# Altium PCB WS2812_MATRIX.PcbDoc (part 2 of 4)
Units mil, origin at the board's own origin, x right, y up, seen from the top; angles counter-clockwise.
Board outline 6515.75 x 1791.34 mil, 2 copper layers (Top Layer, Bottom Layer); 516 components, 260 nets, 1546 pads, 523 vias.
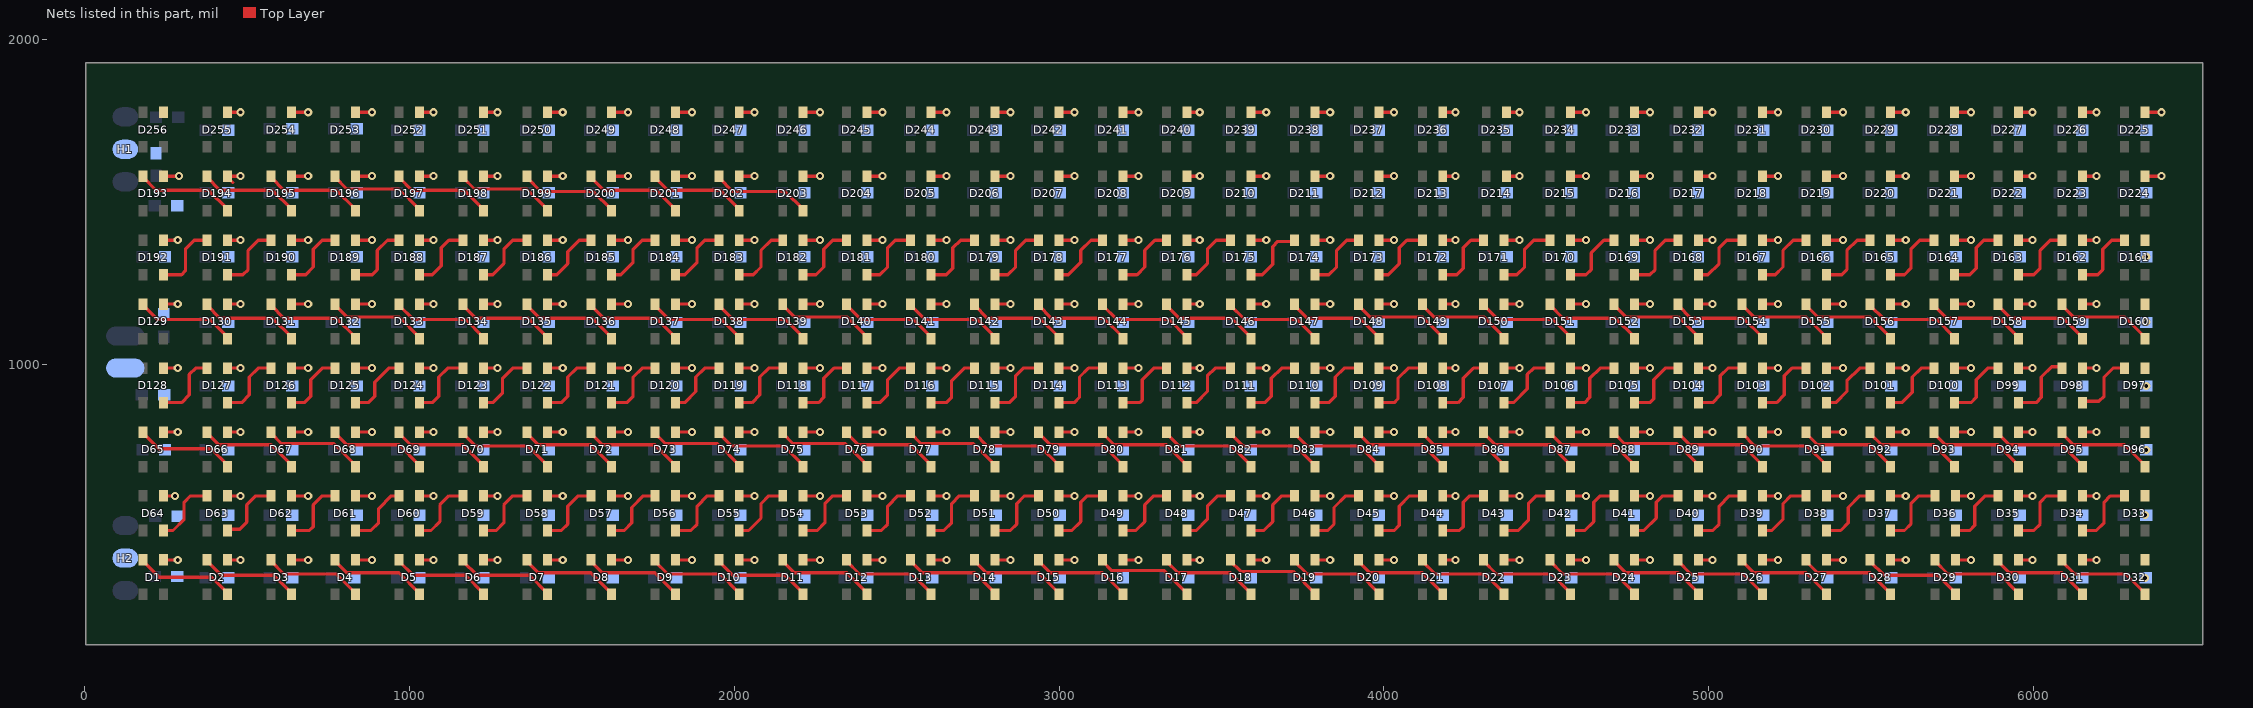
[diagram p2: the nets of this part, all layers, seen from the top]

## Via types
v1: diameter 25, hole 12, Top Layer to Bottom Layer, tented both sides, 523 vias

## Nets (pads, with @x,y where several pads share a name; then routed paths per layer and width w, separated by ;. In a path a pad name is that pad's centre, name@x,y a point inside that pad or via, vN(x,y) a via of type N, cw(c..) or ccw(c..) an arc to the next point about the centre after c; other vN are vias at no path point) (continued)
GND: C1.2 C2.2 C3.2 C4.2 C5.2 C6.2 C7.2 C8.2 C9.2 C10.2 C11.2 C12.2 C13.2 C14.2 C15.2 C16.2 C17.2 C18.2 C19.2 C20.2 C21.2 C22.2 C23.2 C24.2 C25.2 C26.2 C27.2 C28.2 C29.2 C30.2 C31.2 C32.2 C33.2 C34.2 C35.2 C36.2 C37.2 C38.2 C39.2 C40.2 C41.2 C42.2 C43.2 C44.2 C45.2 C46.2 C47.2 C48.2 C49.2 C50.2 C51.2 C52.2 C53.2 C54.2 C55.2 C56.2 C57.2 C58.2 C59.2 C60.2 C61.2 C62.2 C63.2 C64.2 C65.2 C66.2 C67.2 C68.2 C69.2 C70.2 C71.2 C72.2 C73.2 C74.2 C75.2 C76.2 C77.2 C78.2 C79.2 C80.2 C81.2 C82.2 C83.2 C84.2 C85.2 C86.2 C87.2 C88.2 C89.2 C90.2 C91.2 C92.2 C93.2 C94.2 C95.2 C96.2 C97.2 C98.2 C99.2 C100.2 C101.2 C102.2 C103.2 C104.2 C105.2 C106.2 C107.2 C108.2 C109.2 C110.2 C111.2 C112.2 C113.2 C114.2 C115.2 C116.2 C117.2 C118.2 C119.2 C120.2 C121.2 C122.2 C123.2 C124.2 C125.2 C126.2 C127.2 C128.2 C129.2 C130.2 C131.2 C132.2 C133.2 C134.2 C135.2 C136.2 C137.2 C138.2 C139.2 C140.2 C141.2 C142.2 C143.2 C144.2 C145.2 C146.2 C147.2 C148.2 C149.2 C150.2 C151.2 C152.2 C153.2 C154.2 C155.2 C156.2 C157.2 C158.2 C159.2 C160.2 C161.2 C162.2 C163.2 C164.2 C165.2 C166.2 C167.2 C168.2 C169.2 C170.2 C171.2 C172.2 C173.2 C174.2 C175.2 C176.2 C177.2 C178.2 C179.2 C180.2 C181.2 C182.2 C183.2 C184.2 C185.2 C186.2 C187.2 C188.2 C189.2 C190.2 C191.2 C192.2 C193.2 C194.2 C195.2 C196.2 C197.2 C198.2 C199.2 C200.2 C201.2 C202.2 C203.2 C204.2 C205.2 C206.2 C207.2 C208.2 C209.2 C210.2 C211.2 C212.2 C213.2 C214.2 C215.2 C216.2 C217.2 C218.2 C219.2 C220.2 C221.2 C222.2 C223.2 C224.2 C225.2 C226.2 C227.2 C228.2 C229.2 C230.2 C231.2 C232.2 C233.2 C234.2 C235.2 C236.2 C237.2 C238.2 C239.2 C240.2 C241.2 C242.2 C243.2 C244.2 C245.2 C246.2 C247.2 C248.2 C249.2 C250.2 C251.2 C252.2 C253.2 C254.2 C255.2 C256.2 D1.3 D2.3 D3.3 D4.3 D5.3 D6.3 D7.3 D8.3 D9.3 D10.3 D11.3 D12.3 D13.3 D14.3 D15.3 D16.3 D17.3 D18.3 D19.3 D20.3 D21.3 D22.3 D23.3 D24.3 D25.3 D26.3 D27.3 D28.3 D29.3 D30.3 D31.3 D32.3 D33.3 D34.3 D35.3 D36.3 D37.3 D38.3 D39.3 D40.3 D41.3 D42.3 D43.3 D44.3 D45.3 D46.3 D47.3 D48.3 D49.3 D50.3 D51.3 D52.3 D53.3 D54.3 D55.3 D56.3 D57.3 D58.3 D59.3 D60.3 D61.3 D62.3 D63.3 D64.3 D65.3 D66.3 D67.3 D68.3 D69.3 D70.3 D71.3 D72.3 D73.3 D74.3 D75.3 D76.3 D77.3 D78.3 D79.3 D80.3 D81.3 D82.3 D83.3 D84.3 D85.3 D86.3 D87.3 D88.3 D89.3 D90.3 D91.3 D92.3 D93.3 D94.3 D95.3 D96.3 D97.3 D98.3 D99.3 D100.3 D101.3 D102.3 D103.3 D104.3 D105.3 D106.3 D107.3 D108.3 D109.3 D110.3 D111.3 D112.3 D113.3 D114.3 D115.3 D116.3 D117.3 D118.3 D119.3 D120.3 D121.3 D122.3 D123.3 D124.3 D125.3 D126.3 D127.3 D128.3 D129.3 D130.3 D131.3 D132.3 D133.3 D134.3 D135.3 D136.3 D137.3 D138.3 D139.3 D140.3 D141.3 D142.3 D143.3 D144.3 D145.3 D146.3 D147.3 D148.3 D149.3 D150.3 D151.3 D152.3 D153.3 D154.3 D155.3 D156.3 D157.3 D158.3 D159.3 D160.3 D161.3 D162.3 D163.3 D164.3 D165.3 D166.3 D167.3 D168.3 D169.3 D170.3 D171.3 D172.3 D173.3 D174.3 D175.3 D176.3 D177.3 D178.3 D179.3 D180.3 D181.3 D182.3 D183.3 D184.3 D185.3 D186.3 D187.3 D188.3 D189.3 D190.3 D191.3 D192.3 D193.3 D194.3 D195.3 D196.3 D197.3 D198.3 D199.3 D200.3 D201.3 D202.3 D203.3 D204.3 D205.3 D206.3 D207.3 D208.3 D209.3 D210.3 D211.3 D212.3 D213.3 D214.3 D215.3 D216.3 D217.3 D218.3 D219.3 D220.3 D221.3 D222.3 D223.3 D224.3 D225.3 D226.3 D227.3 D228.3 D229.3 D230.3 D231.3 D232.3 D233.3 D234.3 D235.3 D236.3 D237.3 D238.3 D239.3 D240.3 D241.3 D242.3 D243.3 D244.3 D245.3 D246.3 D247.3 D248.3 D249.3 D250.3 D251.3 D252.3 D253.3 D254.3 D255.3 D256.3 H1.2 H2.2 H3.2 | length 11616.7
  Top Layer w10: D1.3@244.09,397.64 v1(287.4,397.64) ; D64.3@244.09,594.49 v1(279.53,594.49) ; D65.3@244.09,791.34 v1(287.4,791.34) ; D128.3@244.09,988.19 v1(287.4,988.19) ; D129.3@244.09,1185.04 v1(287.4,1185.04) ; D192.3@244.09,1381.89 v1(287.4,1381.89) ; D193.3@244.09,1578.74 v1(291.34,1578.74) ; D2.3@440.94,397.64 v1(480.32,397.64) ; D63.3@440.95,594.49 v1(480.32,594.49) ; D66.3@440.95,791.34 v1(480.32,791.34) ; D127.3@440.94,988.19 v1(480.32,988.19) ; D130.3@440.94,1185.04 v1(480.32,1185.04) ; D191.3@440.94,1381.89 v1(480.32,1381.89) ; D255.3@440.94,1775.59 v1(480.31,1775.59) ; 456.45,1559.29 440.94,1574.8 D194.3@440.94,1578.74 v1(480.32,1578.74) ; D3.3@637.8,397.64 v1(688.98,397.64) ; D62.3@637.8,594.49 v1(688.98,594.49) ; D67.3@637.8,791.34 v1(688.98,791.34) ; D126.3@637.8,988.19 v1(688.98,988.19) ; D131.3@637.8,1185.04 v1(688.98,1185.04) ; D190.3@637.8,1381.89 v1(688.98,1381.89) ; D195.3@637.8,1578.74 v1(688.98,1578.74) ; D254.3@637.8,1775.59 v1(688.98,1775.59) ; D4.3@834.65,397.64 v1(885.83,397.64) ; D61.3@834.65,594.49 v1(885.83,594.49) ; D68.3@834.65,791.34 v1(885.83,791.34) ; D125.3@834.65,988.19 v1(885.83,988.19) ; D132.3@834.65,1185.04 v1(885.83,1185.04) ; D189.3@834.65,1381.89 v1(885.83,1381.89) ; D196.3@834.65,1578.74 v1(885.83,1578.74) ; D253.3@834.65,1775.59 v1(885.83,1775.59) ; D5.3@1031.5,397.64 v1(1074.8,397.64) ; D60.3@1031.5,594.49 v1(1074.8,594.49) ; D69.3@1031.5,791.34 v1(1074.8,791.34) ; D124.3@1031.5,988.19 v1(1074.8,988.19) ; D133.3@1031.5,1185.04 v1(1074.8,1185.04) ; D188.3@1031.5,1381.89 v1(1074.8,1381.89) ; D197.3@1031.5,1578.74 v1(1074.8,1578.74) ; D252.3@1031.5,1775.59 v1(1074.8,1775.59) ; D6.3@1228.35,397.64 v1(1271.65,397.64) ; D59.3@1228.35,594.49 v1(1271.65,594.49) ; D70.3@1228.35,791.34 v1(1271.65,791.34) ; D123.3@1228.35,988.19 v1(1271.65,988.19) ; D134.3@1228.35,1185.04 v1(1271.65,1185.04) ; D187.3@1228.35,1381.89 v1(1271.65,1381.89) ; D198.3@1228.35,1578.74 v1(1271.65,1578.74) ; D251.3@1228.35,1775.59 v1(1271.65,1775.59) ; D7.3@1425.2,397.64 v1(1472.44,397.64) ; D58.3@1425.2,594.49 v1(1472.44,594.49) ; D71.3@1425.2,791.34 v1(1472.44,791.34) ; D122.3@1425.2,988.19 v1(1472.44,988.19) ; D135.3@1425.2,1185.04 v1(1472.44,1185.04) ; D186.3@1425.2,1381.89 v1(1472.44,1381.89) ; D199.3@1425.2,1578.74 v1(1472.44,1578.74) ; D250.3@1425.2,1775.59 v1(1472.44,1775.59) ; D8.3@1622.05,397.64 v1(1673.23,397.64) ; D57.3@1622.05,594.49 v1(1673.23,594.49) ; D72.3@1622.05,791.34 v1(1673.23,791.34) ; D121.3@1622.05,988.19 v1(1673.23,988.19) ; D136.3@1622.05,1185.04 v1(1673.23,1185.04) ; D185.3@1622.05,1381.89 v1(1673.23,1381.89) ; D200.3@1622.05,1578.74 v1(1673.23,1578.74) ; D249.3@1622.05,1775.59 v1(1673.23,1775.59) ; D9.3@1818.9,397.64 v1(1870.08,397.64) ; D56.3@1818.9,594.49 v1(1870.08,594.49) ; D73.3@1818.9,791.34 v1(1870.08,791.34) ; D120.3@1818.9,988.19 v1(1870.08,988.19) ; D137.3@1818.9,1185.04 v1(1870.08,1185.04) ; D184.3@1818.9,1381.89 v1(1870.08,1381.89) ; D201.3@1818.9,1578.74 v1(1870.08,1578.74) ; D248.3@1818.9,1775.59 v1(1870.08,1775.59) ; D10.3@2015.75,397.64 v1(2062.99,397.64) ; D55.3@2015.75,594.49 v1(2062.99,594.49) ; D74.3@2015.75,791.34 v1(2062.99,791.34) ; D119.3@2015.75,988.19 v1(2062.99,988.19) ; D138.3@2015.75,1185.04 v1(2062.99,1185.04) ; D183.3@2015.75,1381.89 v1(2062.99,1381.89) ; D202.3@2015.75,1578.74 v1(2062.99,1578.74) ; D247.3@2015.75,1775.59 v1(2062.99,1775.59) ; D11.3@2212.6,397.64 v1(2263.78,397.64) ; D54.3@2212.6,594.49 v1(2263.78,594.49) ; D75.3@2212.6,791.34 v1(2263.78,791.34) ; D118.3@2212.6,988.19 v1(2263.78,988.19) ; D139.3@2212.6,1185.04 v1(2263.78,1185.04) ; D182.3@2212.6,1381.89 v1(2263.78,1381.89) ; D203.3@2212.6,1578.74 v1(2263.78,1578.74) ; D246.3@2212.6,1775.59 v1(2263.78,1775.59) ; D12.3@2409.45,397.64 v1(2456.69,397.64) ; D53.3@2409.45,594.49 v1(2456.69,594.49) ; D76.3@2409.45,791.34 v1(2456.69,791.34) ; D117.3@2409.45,988.19 v1(2456.69,988.19) ; D140.3@2409.45,1185.04 v1(2456.69,1185.04) ; D181.3@2409.45,1381.89 v1(2456.69,1381.89) ; D204.3@2409.45,1578.74 v1(2456.69,1578.74) ; D245.3@2409.45,1775.59 v1(2456.69,1775.59) ; D13.3@2606.3,397.64 v1(2653.54,397.64) ; D52.3@2606.3,594.49 v1(2653.54,594.49) ; D77.3@2606.3,791.34 v1(2653.54,791.34) ; D116.3@2606.3,988.19 v1(2653.54,988.19) ; D141.3@2606.3,1185.04 v1(2653.54,1185.04) ; D180.3@2606.3,1381.89 v1(2653.54,1381.89) ; D205.3@2606.3,1578.74 v1(2653.54,1578.74) ; D244.3@2606.3,1775.59 v1(2653.54,1775.59) ; D14.3@2803.15,397.64 v1(2850.39,397.64) ; D51.3@2803.15,594.49 v1(2850.39,594.49) ; D78.3@2803.15,791.34 v1(2850.39,791.34) ; D115.3@2803.15,988.19 v1(2850.39,988.19) ; D142.3@2803.15,1185.04 v1(2850.39,1185.04) ; D179.3@2803.15,1381.89 v1(2850.39,1381.89) ; D206.3@2803.15,1578.74 v1(2850.39,1578.74) ; D243.3@2803.15,1775.59 v1(2850.39,1775.59) ; D15.3@3000,397.64 v1(3047.24,397.64) ; D50.3@3000,594.49 v1(3047.24,594.49) ; D79.3@3000,791.34 v1(3047.24,791.34) ; D114.3@3000,988.19 v1(3047.24,988.19) ; D143.3@3000,1185.04 v1(3047.24,1185.04) ; D178.3@3000,1381.89 v1(3047.24,1381.89) ; D207.3@3000,1578.74 v1(3047.24,1578.74) ; D242.3@3000,1775.59 v1(3047.24,1775.59) ; D16.3@3196.85,397.64 v1(3244.09,397.64) ; D49.3@3196.85,594.49 v1(3244.09,594.49) ; D80.3@3196.85,791.34 v1(3244.09,791.34) ; D113.3@3196.85,988.19 v1(3244.09,988.19) ; D144.3@3196.85,1185.04 v1(3244.09,1185.04) ; D177.3@3196.85,1381.89 v1(3244.09,1381.89) ; D208.3@3196.85,1578.74 v1(3244.09,1578.74) ; D241.3@3196.85,1775.59 v1(3244.09,1775.59) ; D17.3@3393.7,397.64 v1(3433.07,397.64) ; D48.3@3393.7,594.49 v1(3433.07,594.49) ; D81.3@3393.7,791.34 v1(3433.07,791.34) ; D112.3@3393.7,988.19 v1(3433.07,988.19) ; D145.3@3393.7,1185.04 v1(3433.07,1185.04) ; D176.3@3393.7,1381.89 v1(3433.07,1381.89) ; D209.3@3393.7,1578.74 v1(3433.07,1578.74) ; D240.3@3393.7,1775.59 v1(3433.07,1775.59) ; D18.3@3590.55,397.64 v1(3637.8,397.64) ; D47.3@3590.55,594.49 v1(3637.8,594.49) ; D82.3@3590.55,791.34 v1(3637.8,791.34) ; D111.3@3590.55,988.19 v1(3637.8,988.19) ; D146.3@3590.55,1185.04 v1(3637.8,1185.04) ; D175.3@3590.55,1381.89 v1(3637.8,1381.89) ; D210.3@3590.55,1578.74 v1(3637.8,1578.74) ; D239.3@3590.55,1775.59 v1(3637.8,1775.59) ; D19.3@3787.4,397.64 v1(3834.65,397.64) ; D46.3@3787.4,594.49 v1(3834.65,594.49) ; D83.3@3787.4,791.34 v1(3834.65,791.34) ; D110.3@3787.4,988.19 v1(3834.65,988.19) ; D147.3@3787.4,1185.04 v1(3834.65,1185.04) ; D174.3@3787.4,1381.89 v1(3834.65,1381.89) ; D211.3@3787.4,1578.74 v1(3834.65,1578.74) ; D238.3@3787.4,1775.59 v1(3834.65,1775.59) ; D20.3@3984.25,397.64 v1(4031.5,397.64) ; D45.3@3984.25,594.49 v1(4031.5,594.49) ; D84.3@3984.25,791.34 v1(4031.5,791.34) ; D109.3@3984.25,988.19 v1(4031.5,988.19) ; D148.3@3984.25,1185.04 v1(4031.5,1185.04) ; D173.3@3984.25,1381.89 v1(4031.5,1381.89) ; D212.3@3984.25,1578.74 v1(4031.5,1578.74) ; D237.3@3984.25,1775.59 v1(4031.5,1775.59) ; D21.3@4181.1,397.64 v1(4220.47,397.64) ; D44.3@4181.1,594.49 v1(4220.47,594.49) ; D85.3@4181.1,791.34 v1(4220.47,791.34) ; D108.3@4181.1,988.19 v1(4220.47,988.19) ; D149.3@4181.1,1185.04 v1(4220.47,1185.04) ; D172.3@4181.1,1381.89 v1(4220.47,1381.89) ; D213.3@4181.1,1578.74 v1(4220.47,1578.74) ; D236.3@4181.1,1775.59 v1(4220.47,1775.59) ; D22.3@4370.08,397.64 v1(4417.32,397.64) ; D43.3@4370.08,594.49 v1(4417.32,594.49) ; D86.3@4370.08,791.34 v1(4417.32,791.34) ; D107.3@4370.08,988.19 v1(4417.32,988.19) ; D150.3@4370.08,1185.04 v1(4417.32,1185.04) ; D171.3@4370.08,1381.89 v1(4417.32,1381.89) ; D214.3@4377.95,1578.74 v1(4417.32,1578.74) ; D235.3@4377.95,1775.59 v1(4417.32,1775.59) ; D23.3@4574.8,397.64 v1(4622.05,397.64) ; D42.3@4574.8,594.49 v1(4622.05,594.49) ; D87.3@4574.8,791.34 v1(4622.05,791.34) ; D106.3@4574.8,988.19 v1(4622.05,988.19) ; D151.3@4574.8,1185.04 v1(4622.05,1185.04) ; D170.3@4574.8,1381.89 v1(4622.05,1381.89) ; D215.3@4574.8,1578.74 v1(4622.05,1578.74) ; D234.3@4574.8,1775.59 v1(4622.05,1775.59) ; D24.3@4771.65,397.64 v1(4818.9,397.64) ; D41.3@4771.65,594.49 v1(4818.9,594.49) ; D88.3@4771.65,791.34 v1(4818.9,791.34) ; D105.3@4771.65,988.19 v1(4818.9,988.19) ; D152.3@4771.65,1185.04 v1(4818.9,1185.04) ; D169.3@4771.65,1381.89 v1(4818.9,1381.89) ; D216.3@4771.65,1578.74 v1(4818.9,1578.74) ; D233.3@4771.65,1775.59 v1(4818.9,1775.59) ; D25.3@4968.5,397.64 v1(5011.81,397.64) ; D40.3@4968.5,594.49 v1(5011.81,594.49) ; D89.3@4968.5,791.34 v1(5011.81,791.34) ; D104.3@4968.5,988.19 v1(5011.81,988.19) ; D153.3@4968.5,1185.04 v1(5011.81,1185.04) ; D168.3@4968.5,1381.89 v1(5011.81,1381.89) ; D217.3@4968.5,1578.74 v1(5011.81,1578.74) ; D232.3@4968.5,1775.59 v1(5011.81,1775.59) ; D26.3@5165.35,397.64 v1(5212.6,397.64) ; D39.3@5165.35,594.49 v1(5212.6,594.49) ; D90.3@5165.35,791.34 v1(5212.6,791.34) ; D103.3@5165.35,988.19 v1(5212.6,988.19) ; D154.3@5165.35,1185.04 v1(5212.6,1185.04) ; D167.3@5165.35,1381.89 v1(5212.6,1381.89) ; D218.3@5165.35,1578.74 v1(5212.6,1578.74) ; D231.3@5165.35,1775.59 v1(5212.6,1775.59) ; D27.3@5362.2,397.64 v1(5413.39,397.64) ; D38.3@5362.21,594.49 v1(5413.39,594.49) ; D91.3@5362.2,791.34 v1(5413.39,791.34) ; D102.3@5362.2,988.19 v1(5413.39,988.19) ; D155.3@5362.2,1185.04 v1(5413.39,1185.04) ; D166.3@5362.2,1381.89 v1(5413.39,1381.89) ; D219.3@5362.2,1578.74 v1(5413.39,1578.74) ; D230.3@5362.2,1775.59 v1(5413.39,1775.59) ; D28.3@5559.06,397.64 v1(5606.3,397.64) ; D37.3@5559.06,594.49 v1(5606.3,594.49) ; D92.3@5559.06,791.34 v1(5606.3,791.34) ; D101.3@5559.06,988.19 v1(5606.3,988.19) ; D156.3@5559.06,1185.04 v1(5606.3,1185.04) ; D165.3@5559.06,1381.89 v1(5606.3,1381.89) ; D220.3@5559.06,1578.74 v1(5606.3,1578.74) ; D229.3@5559.06,1775.59 v1(5606.3,1775.59) ; D93.3@5755.91,791.34 v1(5807.09,791.34) ; D100.3@5755.91,988.19 v1(5807.09,988.19) ; D157.3@5755.91,1185.04 v1(5807.09,1185.04) ; D164.3@5755.91,1381.89 v1(5807.09,1381.89) ; D221.3@5755.91,1578.74 v1(5807.09,1578.74) ; D228.3@5755.91,1775.59 v1(5807.09,1775.59) ; D29.3@5759.84,397.64 v1(5807.09,397.64) ; D36.3@5759.84,594.49 v1(5807.09,594.49) ; D30.3@5952.75,397.64 v1(5996.06,397.64) ; D35.3@5952.75,594.49 v1(5996.06,594.49) ; D94.3@5952.75,791.34 v1(5996.06,791.34) ; D99.3@5952.75,988.19 v1(5996.06,988.19) ; D158.3@5952.75,1185.04 v1(5996.06,1185.04) ; D163.3@5952.75,1381.89 v1(5996.06,1381.89) ; D222.3@5952.75,1578.74 v1(5996.06,1578.74) ; D227.3@5952.75,1775.59 v1(5996.06,1775.59) ; D31.3@6149.6,397.64 v1(6192.91,397.64) ; D34.3@6149.6,594.49 v1(6192.91,594.49) ; D95.3@6149.6,791.34 v1(6192.91,791.34) ; D98.3@6149.6,988.19 v1(6192.91,988.19) ; D159.3@6149.6,1185.04 v1(6192.91,1185.04) ; D162.3@6149.6,1381.89 v1(6192.91,1381.89) ; D223.3@6149.6,1578.74 v1(6192.91,1578.74) ; D226.3@6149.6,1775.59 v1(6192.91,1775.59) ; D224.3@6342.52,1578.74 v1(6393.7,1578.74) ; D225.3@6342.52,1775.59 v1(6393.7,1775.59)
  other v1: 6342.52,342.52 6342.52,535.43 6346.46,736.22 6346.46,933.07 6346.46,1129.92 6346.46,1330.71
NetD1_4: D1.4 D2.2 | length 308.5
  Top Layer w10: D1.4@181.1,397.64 181.1,393.7 230.31,344.49 391.73,344.49 440.94,295.28 D2.2@440.94,291.34
NetD2_4: D2.4 D3.2 | length 308.5
  Top Layer w10: D2.4@377.95,397.64 377.95,393.7 421.26,350.39 582.68,350.39 637.8,295.28 D3.2@637.8,291.34
NetD3_4: D3.4 D4.2 | length 308.5
  Top Layer w10: D3.4@574.8,397.64 574.8,393.7 614.17,354.33 775.59,354.33 834.65,295.28 D4.2@834.65,291.34
NetD4_4: D4.4 D5.2 | length 308.5
  Top Layer w10: D4.4@771.65,397.64 771.65,393.7 807.09,358.27 968.5,358.27 1031.5,295.28 D5.2@1031.5,291.34
NetD5_4: D5.4 D6.2 | length 308.5
  Top Layer w10: D5.4@968.5,397.64 968.5,393.7 1011.81,350.39 1173.23,350.39 1228.35,295.28 D6.2@1228.35,291.34
NetD6_4: D6.4 D7.2 | length 308.5
  Top Layer w10: D6.4@1165.35,397.64 1165.35,393.7 1208.66,350.39 1370.08,350.39 1425.2,295.28 D7.2@1425.2,291.34
NetD7_4: D7.4 D8.2 | length 308.5
  Top Layer w10: D7.4@1362.2,397.64 1362.2,393.7 1397.64,358.27 1559.06,358.27 1622.05,295.28 D8.2@1622.05,291.34
NetD8_4: D8.4 D9.2 | length 308.5
  Top Layer w10: D8.4@1559.05,397.64 1559.05,393.7 1594.49,358.27 1755.9,358.27 1818.9,295.28 D9.2@1818.9,291.34
NetD9_4: D9.4 D10.2 | length 308.5
  Top Layer w10: D9.4@1755.9,397.64 1755.9,393.7 1795.27,354.33 1956.69,354.33 2015.75,295.28 D10.2@2015.75,291.34
NetD10_4: D10.4 D11.2 | length 308.5
  Top Layer w10: D10.4@1952.76,397.64 1952.76,393.7 1996.06,350.39 2157.48,350.39 2212.6,295.28 D11.2@2212.6,291.34
NetD11_4: D11.4 D12.2 | length 308.5
  Top Layer w10: D11.4@2149.61,397.64 2149.61,393.7 2185.04,358.27 2346.46,358.27 2409.45,295.28 D12.2@2409.45,291.34
NetD12_4: D12.4 D13.2 | length 308.5
  Top Layer w10: D12.4@2346.46,397.64 2346.46,393.7 2385.83,354.33 2547.24,354.33 2606.3,295.28 D13.2@2606.3,291.34
NetD13_4: D13.4 D14.2 | length 308.5
  Top Layer w10: D13.4@2543.31,397.64 2543.31,393.7 2578.74,358.27 2740.16,358.27 2803.15,295.28 D14.2@2803.15,291.34
NetD14_4: D14.4 D15.2 | length 308.5
  Top Layer w10: D14.4@2740.16,397.64 2740.16,393.7 2775.59,358.27 2937.01,358.27 3000,295.28 D15.2@3000,291.34
NetD15_4: D15.4 D16.2 | length 308.5
  Top Layer w10: D15.4@2937.01,397.64 2937.01,393.7 2972.44,358.27 3133.86,358.27 3196.85,295.28 D16.2@3196.85,291.34
NetD16_4: D16.4 D17.2 | length 308.5
  Top Layer w10: D16.4@3133.86,397.64 3133.86,393.7 3162.64,364.92 3324.06,364.92 3393.7,295.28 D17.2@3393.7,291.34
NetD17_4: D17.4 D18.2 | length 308.5
  Top Layer w10: D17.4@3330.71,397.64 3330.71,393.7 3366.14,358.27 3527.56,358.27 3590.55,295.28 D18.2@3590.55,291.34
NetD18_4: D18.4 D19.2 | length 308.5
  Top Layer w10: D18.4@3527.56,397.64 3527.56,393.7 3559.06,362.2 3720.47,362.2 3787.4,295.28 D19.2@3787.4,291.34
NetD19_4: D19.4 D20.2 | length 308.5
  Top Layer w10: D19.4@3724.41,397.64 3724.41,393.7 3763.78,354.33 3925.2,354.33 3984.25,295.28 D20.2@3984.25,291.34
NetD20_4: D20.4 D21.2 | length 308.5
  Top Layer w10: D20.4@3921.26,397.64 3921.26,393.7 3956.69,358.27 4118.11,358.27 4181.1,295.28 D21.2@4181.1,291.34
NetD21_4: D21.4 D22.2 | length 300.6
  Top Layer w10: D21.4@4118.11,397.64 4118.11,393.7 4157.48,354.33 4311.02,354.33 4370.08,295.28 D22.2@4370.08,291.34
NetD22_4: D22.4 D23.2 | length 316.4
  Top Layer w10: D22.4@4307.09,397.64 4307.09,393.7 4346.46,354.33 4515.75,354.33 4574.8,295.28 D23.2@4574.8,291.34
NetD23_4: D23.4 D24.2 | length 308.5
  Top Layer w10: D23.4@4511.81,397.64 4511.81,393.7 4551.18,354.33 4712.6,354.33 4771.65,295.28 D24.2@4771.65,291.34
NetD24_4: D24.4 D25.2 | length 308.5
  Top Layer w10: D24.4@4708.66,397.64 4708.66,393.7 4744.09,358.27 4905.51,358.27 4968.5,295.28 D25.2@4968.5,291.34
NetD25_4: D25.4 D26.2 | length 308.5
  Top Layer w10: D25.4@4905.51,397.64 4905.51,393.7 4944.88,354.33 5106.3,354.33 5165.35,295.28 D26.2@5165.35,291.34
NetD26_4: D26.4 D27.2 | length 308.5
  Top Layer w10: D26.4@5102.36,397.64 5102.36,393.7 5137.8,358.27 5299.21,358.27 5362.2,295.28 D27.2@5362.2,291.34
NetD27_4: D27.4 D28.2 | length 308.5
  Top Layer w10: D27.4@5299.21,397.64 5299.21,393.7 5334.65,358.27 5496.06,358.27 5559.06,295.28 D28.2@5559.06,291.34
NetD28_4: D28.4 D29.2 | length 312.4
  Top Layer w10: D28.4@5496.06,397.64 5496.06,393.7 5539.37,350.39 5704.72,350.39 5759.84,295.28 D29.2@5759.84,291.34
NetD29_4: D29.4 D30.2 | length 304.5
  Top Layer w10: D29.4@5696.85,397.64 5696.85,393.7 5736.22,354.33 5893.7,354.33 5952.75,295.28 D30.2@5952.75,291.34
NetD30_4: D30.4 D31.2 | length 308.5
  Top Layer w10: D30.4@5889.76,397.64 5889.76,393.7 5925.19,358.27 6086.61,358.27 6149.6,295.28 D31.2@6149.6,291.34
NetD31_4: D31.4 D32.2 | length 304.6
  Top Layer w10: D31.4@6086.61,397.64 6086.61,393.7 6125.98,354.33 6283.46,354.33 6342.52,295.28 D32.2@6342.52,291.34
NetD33_4: D33.4 D34.2 | length 210.9
  Top Layer w10: D34.2@6149.6,488.19 6192.91,488.19 6216.54,511.81 6216.54,574.8 6236.22,594.49 D33.4@6279.53,594.49
NetD34_4: D34.4 D35.2 | length 217.1
  Top Layer w10: D35.2@5952.75,488.19 6000,488.19 6019.69,507.87 6019.69,574.8 6039.37,594.49 D34.4@6086.61,594.49
NetD35_4: D35.4 D36.2 | length 208.5
  Top Layer w10: D36.2@5759.84,488.19 5803.15,488.19 5818.9,503.94 5818.9,562.99 5850.39,594.49 D35.4@5889.76,594.49
NetD36_4: D36.4 D37.2 | length 218.7
  Top Layer w10: D37.2@5559.06,488.19 5602.36,488.19 5622.05,507.87 5622.05,570.87 5645.67,594.49 D36.4@5696.85,594.49
NetD37_4: D37.4 D38.2 | length 205.6
  Top Layer w10: D38.2@5362.21,488.19 5405.51,488.19 5429.13,511.81 5429.13,559.06 5464.57,594.49 D37.4@5496.06,594.49
NetD38_4: D38.4 D39.2 | length 206.3
  Top Layer w10: D39.2@5165.35,488.19 5194.13,488.19 5228.35,522.4 5228.35,570.87 5251.97,594.49 D38.4@5299.21,594.49
NetD39_4: D39.4 D40.2 | length 210.2
  Top Layer w10: D40.2@4968.5,488.19 5011.81,488.19 5031.5,507.87 5031.5,562.99 5062.99,594.49 D39.4@5102.36,594.49
NetD40_4: D40.4 D41.2 | length 206.3
  Top Layer w10: D41.2@4771.65,488.19 4800.43,488.19 4838.58,526.34 4838.58,574.8 4858.27,594.49 D40.4@4905.51,594.49
NetD41_4: D41.4 D42.2 | length 212.5
  Top Layer w10: D42.2@4574.8,488.19 4618.11,488.19 4645.67,515.75 4645.67,574.8 4665.35,594.49 D41.4@4708.66,594.49
NetD42_4: D42.4 D43.2 | length 215.7
  Top Layer w10: D43.2@4370.08,488.19 4413.39,488.19 4444.88,519.69 4444.88,570.87 4468.5,594.49 D42.4@4511.81,594.49
NetD43_4: D43.4 D44.2 | length 213.8
  Top Layer w10: D44.2@4181.1,488.19 4232.28,488.19 4244.09,500 4244.09,574.8 4263.78,594.49 D43.4@4307.09,594.49